# Altium PCB 1166V31.PcbDoc (part 1 of 7) (continued)
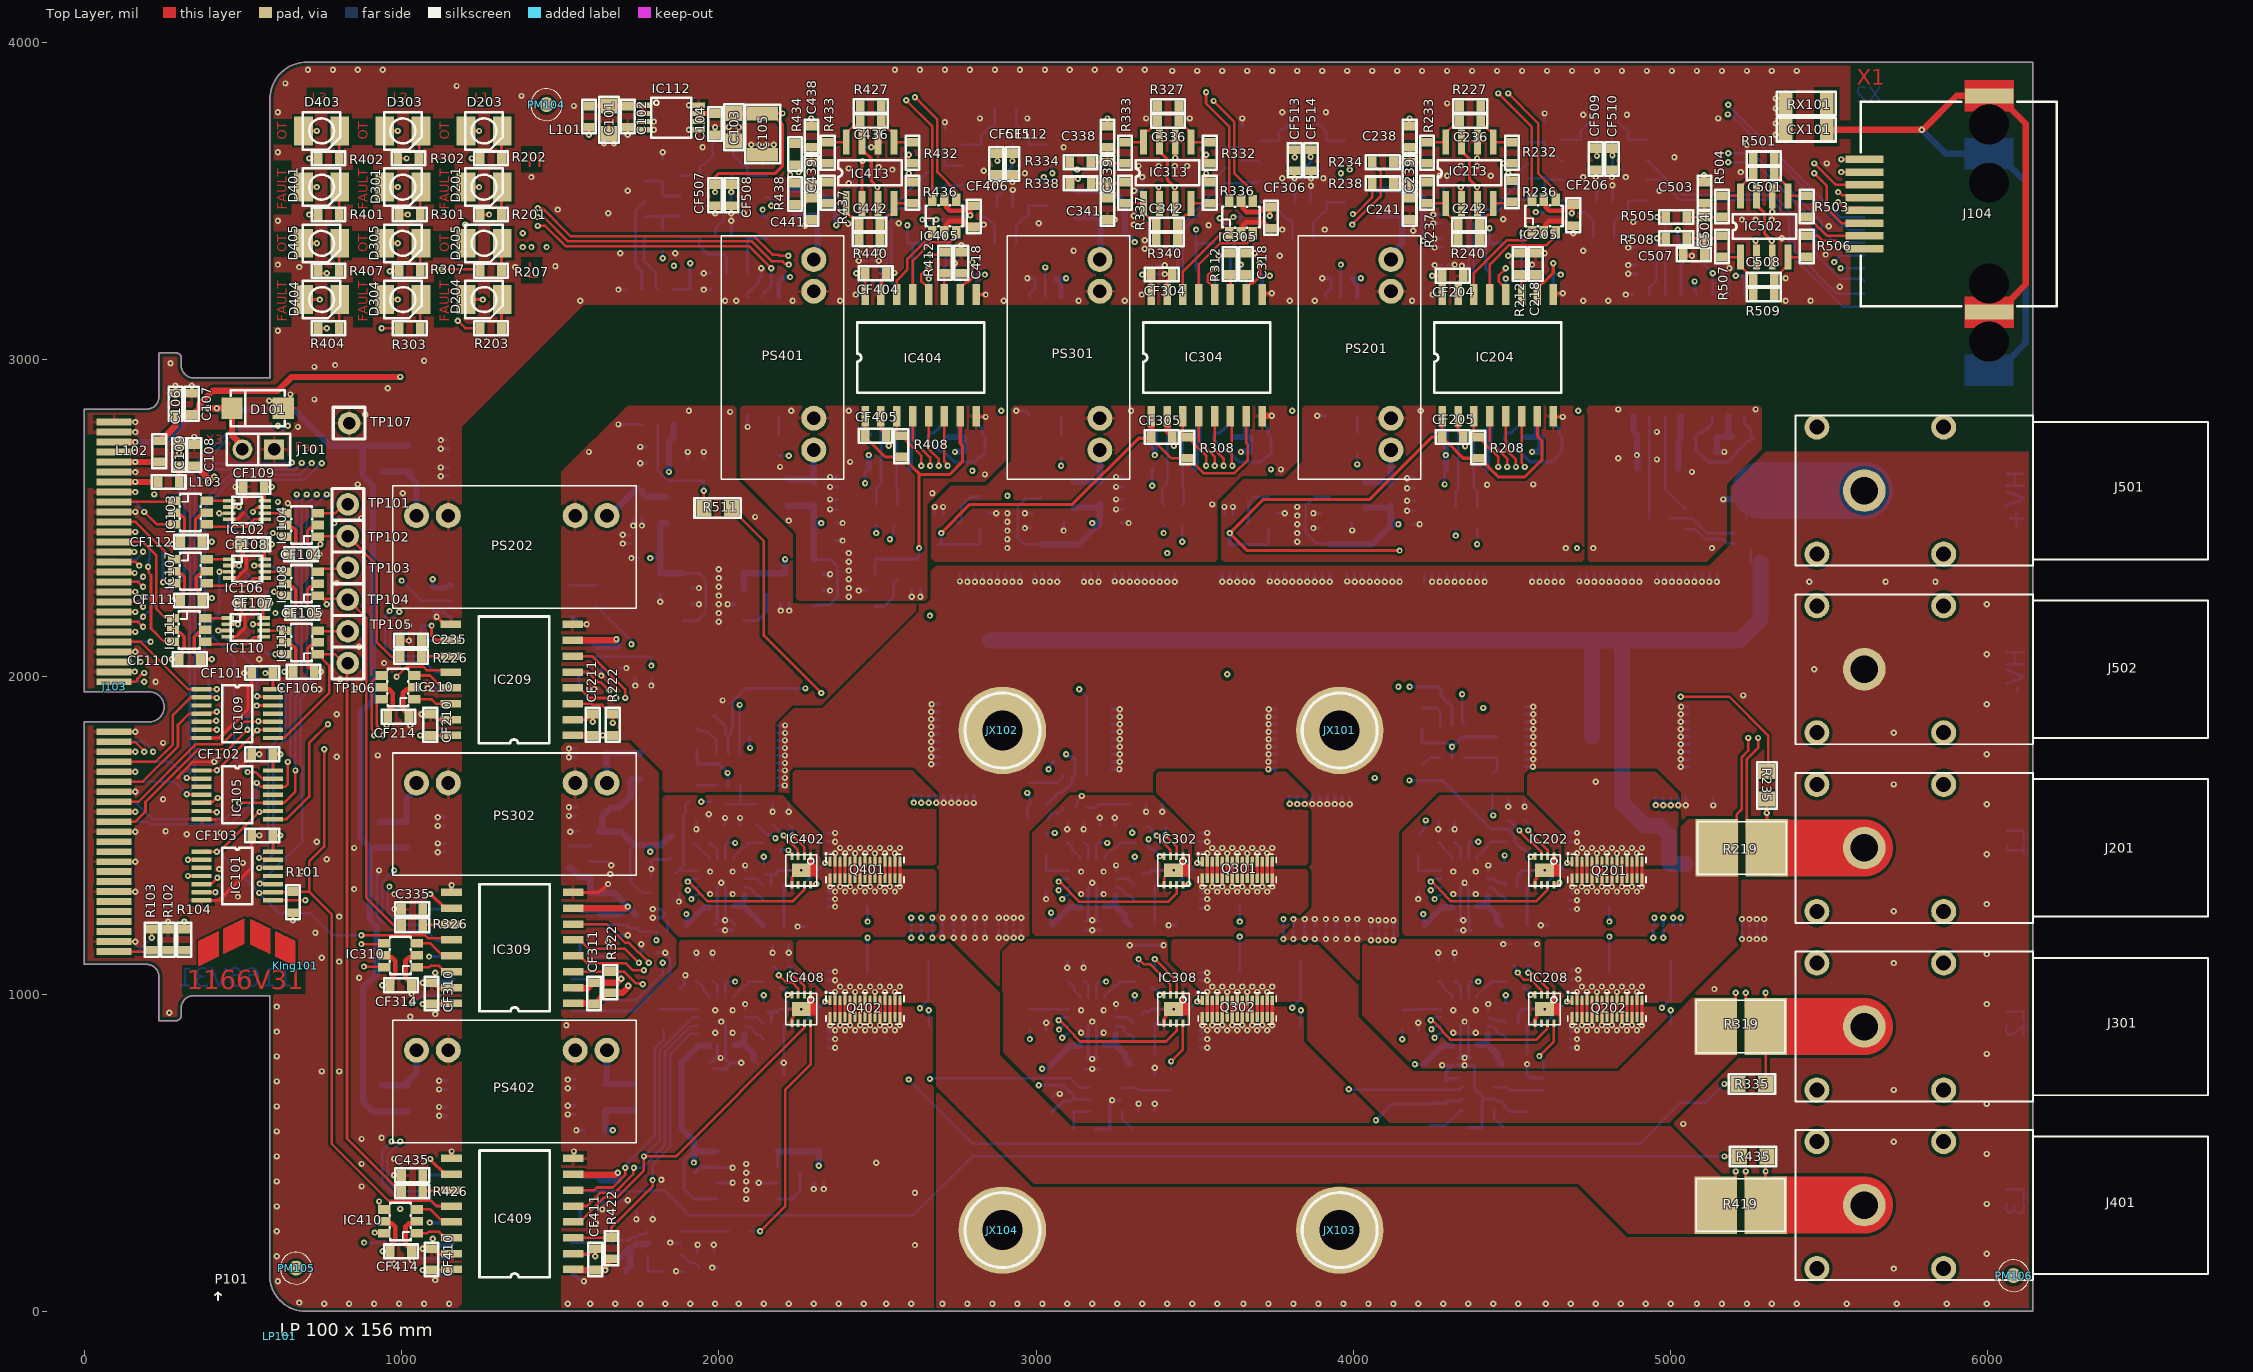
[diagram p0: Top Layer view]
## Components (designator, comment, footprint, x,y, rotation, side; value= is the part's Value field where it differs from the comment)
C101 "10µF/10V" 0805-Cap 1653.54,3712.6 r90 top
C102 "100nF" 0603-Cap 1712.6,3732.28 r90 top
C103 "2µ2F/10V" 0805-Cap 2047.24,3688.98 r90 top
C104 "100nF" 0603-Cap 1988.19,3708.66 r90 top
C105 "47µF/10V" 1210-Cap 2137.8,3645.67 r90 top
C106 "10µF/10V" 0603-Cap 287.4,2893.7 r270 top
C107 "100nF" 0603-Cap 338.58,2893.7 r270 top
C108 "10µF/10V" 0603-Cap 346.46,2732.28 r270 top
C109 "100nF" 0603-Cap 299.21,2732.28 r270 top
C201 "22nF/100V" 0805-Cap 4960.63,1295.28 r270 bottom
C202 "100nF/100V" 0805-Cap 5027.56,1295.28 r270 bottom
C203 "220nF/100V" 0805-Cap 5094.49,1295.28 r270 bottom
C204 "1µF/100V" 0805-Cap 5161.42,1295.28 r270 bottom
C205 "10µF/100V" 1210-Cap 5255.91,1334.65 r270 bottom
C206 "10µF/50V" 1206-Cap 4283.46,3535.43 r180 bottom
C207 "10µF/50V" 1206-Cap 4283.46,3452.76 r180 bottom
C208 "100nF" 0603-Cap 4118.11,2480.31 r0 bottom
C209 "100nF" 0603-Cap 3996.06,2417.72 r90 bottom
C210 "10nF" 0603-Cap 3665.35,2417.32 r90 bottom
C211 "100nF" 0603-Cap 4535.43,1456.69 r270 bottom
C212 "100nF" 0603-Cap 4562.99,3267.72 r0 bottom
C213 "1µF/25V" 1206-Cap 4417.32,3366.14 r180 bottom
C214 "1nF" 1206-Cap 4417.32,3283.46 r180 bottom
C215 "10µF/25V" 0805-Cap 4311.02,1216.54 r180 bottom
C216 "4µ7F/10V" 0805-Cap 4464.57,1216.54 r180 bottom
C217 "22pF" 0603-Cap 4204.72,1322.83 r90 bottom
C218 "68pF" 0603-Cap 4574.8,3334.65 r270 top
C219 "1µF/25V" 0603-Cap 4653.54,2708.66 r180 bottom
C220 "1nF" 0603-Cap 4653.54,2755.91 r180 bottom
C221 "100nF" 0603-Cap 4472.44,2755.91 r0 bottom
C222 "1nF" 1206-Cap 4417.32,2657.48 r180 bottom
C223 "100nF" 1206-Cap 4417.32,2740.16 r180 bottom
C224 "8n2F" 0603-Cap 4322.83,2582.68 r0 bottom
C225 "22pF" 0603-Cap 4366.14,1480.31 r0 bottom
C226 "10µF/50V" 1206-Cap 1155.12,2732.28 r180 bottom
C227 "10µF/50V" 1206-Cap 1155.12,2645.67 r180 bottom
C228 "100nF" 0603-Cap 1814.96,2374.02 r180 bottom
C229 "100nF" 0603-Cap 1814.96,2326.77 r270 bottom
C230 "10nF" 0603-Cap 2149.61,2326.77 r270 bottom
C231 "100nF" 0603-Cap 4535.43,1019.68 r270 bottom
C232 "10µF/25V" 0805-Cap 4314.96,779.53 r180 bottom
C233 "4µ7F/10V" 0805-Cap 4468.5,779.53 r180 bottom
C234 "22pF" 0603-Cap 4204.72,885.83 r90 bottom
C235 "68pF" 0603-Cap 996.06,2114.17 r0 top
C236 "22pF" 0603-Cap 4334.65,3751.97 r0 top
C237 "22pF" 0603-Cap 4366.14,1039.37 r0 bottom
C238 "2n2F" 0603-Cap 4177.17,3669.29 r90 top
C239 "2n2F" 0603-Cap 4177.17,3555.12 r90 top
C240 "22pF" 0603-Cap 1736.22,1996.06 r90 bottom
C241 "2n2F" 0603-Cap 4177.17,3440.94 r90 top
C242 "22pF" 0603-Cap 4330.71,3425.2 r0 top
C243 "10nF" 0603-Cap 4452.76,1811.02 r270 bottom
C244 "10nF" 0603-Cap 4496.06,629.92 r90 bottom
C301 "22nF/100V" 0805-Cap 3795.28,1291.34 r270 bottom
C302 "100nF/100V" 0805-Cap 3862.2,1291.34 r270 bottom
C303 "220nF/100V" 0805-Cap 3929.13,1291.34 r270 bottom
C304 "1µF/100V" 0805-Cap 3996.06,1291.34 r270 bottom
C305 "10µF/100V" 1210-Cap 4090.55,1330.71 r270 bottom
C306 "10µF/50V" 1206-Cap 3334.65,3531.5 r180 bottom
C307 "10µF/50V" 1206-Cap 3334.65,3448.82 r180 bottom
C308 "100nF" 0603-Cap 3200.79,2484.25 r0 bottom
C309 "100nF" 0603-Cap 3086.61,2417.32 r90 bottom
C310 "10nF" 0603-Cap 2751.97,2417.32 r90 bottom
C311 "100nF" 0603-Cap 3366.14,1456.69 r270 bottom
C312 "100nF" 0603-Cap 3645.67,3267.72 r0 bottom
C313 "1µF/25V" 1206-Cap 3503.94,3366.14 r180 bottom
C314 "1nF" 1206-Cap 3503.94,3283.46 r180 bottom
C315 "10µF/25V" 0805-Cap 3141.73,1216.54 r180 bottom
C316 "4µ7F/10V" 0805-Cap 3295.28,1216.54 r180 bottom
C317 "22pF" 0603-Cap 3031.5,1322.83 r90 bottom
C318 "68pF" 0603-Cap 3661.42,3334.65 r270 top
C319 "1µF/25V" 0603-Cap 3736.22,2708.66 r180 bottom
C320 "1nF" 0603-Cap 3736.22,2755.91 r180 bottom
C321 "100nF" 0603-Cap 3555.12,2755.91 r0 bottom
C322 "1nF" 1206-Cap 3496.06,2740.16 r180 bottom
C323 "100nF" 1206-Cap 3496.06,2657.48 r180 bottom
C324 "8n2F" 0603-Cap 3397.64,2590.55 r0 bottom
C325 "22pF" 0603-Cap 3196.85,1476.38 r0 bottom
C326 "10µF/50V" 1206-Cap 1145.67,1460.63 r180 bottom
C327 "10µF/50V" 1206-Cap 1145.67,1543.31 r180 bottom
C328 "100nF" 0603-Cap 1622.05,1511.81 r180 bottom
C329 "100nF" 0603-Cap 1850.39,1496.06 r270 bottom
C330 "10nF" 0603-Cap 1527.56,1397.64 r90 bottom
C331 "100nF" 0603-Cap 3366.14,1019.68 r270 bottom
C332 "10µF/25V" 0805-Cap 3141.73,779.53 r180 bottom
C333 "4µ7F/10V" 0805-Cap 3295.28,779.53 r180 bottom
C334 "22pF" 0603-Cap 3031.5,885.83 r90 bottom
C335 "68pF" 0603-Cap 1000,1267.72 r0 top
C336 "22pF" 0603-Cap 3382.28,3751.97 r0 top
C337 "22pF" 0603-Cap 3196.85,1039.37 r0 bottom
C338 "2n2F" 0603-Cap 3224.8,3669.29 r90 top
C339 "2n2F" 0603-Cap 3224.8,3555.12 r90 top
C340 "22pF" 0603-Cap 1751.97,1129.92 r90 bottom
C341 "2n2F" 0603-Cap 3224.8,3440.94 r90 top
C342 "22pF" 0603-Cap 3378.35,3425.2 r0 top
C343 "10nF" 0603-Cap 3248.03,1531.5 r90 bottom
C344 "10nF" 0603-Cap 3322.83,629.92 r90 bottom
C401 "22nF/100V" 0805-Cap 2622.05,1295.28 r270 bottom
C402 "100nF/100V" 0805-Cap 2688.98,1295.28 r270 bottom
C403 "220nF/100V" 0805-Cap 2755.91,1295.28 r270 bottom
C404 "1µF/100V" 0805-Cap 2822.83,1295.28 r270 bottom
C405 "10µF/100V" 1210-Cap 2917.32,1338.58 r270 bottom
C406 "10µF/50V" 1206-Cap 2448.82,3535.43 r180 bottom
C407 "10µF/50V" 1206-Cap 2448.82,3452.76 r180 bottom
C408 "100nF" 0603-Cap 2299.21,2484.25 r0 bottom
C409 "100nF" 0603-Cap 2299.21,2429.13 r0 bottom
C410 "10nF" 0603-Cap 2562.99,2370.08 r270 bottom
C411 "100nF" 0603-Cap 2192.91,1456.69 r270 bottom
C412 "100nF" 0603-Cap 2744.09,3267.72 r0 bottom
C413 "1µF/25V" 1206-Cap 2602.36,3366.14 r180 bottom
C414 "1nF" 1206-Cap 2602.36,3283.46 r180 bottom
C415 "10µF/25V" 0805-Cap 1984.25,1216.54 r180 bottom
C416 "4µ7F/10V" 0805-Cap 2137.8,1216.54 r180 bottom
C417 "22pF" 0603-Cap 1862.2,1314.96 r90 bottom
C418 "68pF" 0603-Cap 2763.78,3338.58 r270 top
C419 "1µF/25V" 0603-Cap 2834.65,2708.66 r180 bottom
C420 "1nF" 0603-Cap 2834.65,2755.91 r180 bottom
C421 "100nF" 0603-Cap 2653.54,2755.91 r0 bottom
C422 "1nF" 1206-Cap 2598.42,2740.16 r180 bottom
C423 "100nF" 1206-Cap 2598.42,2657.48 r180 bottom
C424 "8n2F" 0603-Cap 2496.06,2590.55 r0 bottom
C425 "22pF" 0603-Cap 2027.56,1476.38 r0 bottom
C426 "10µF/50V" 1206-Cap 1149.61,629.92 r180 bottom
C427 "10µF/50V" 1206-Cap 1149.61,712.6 r180 bottom
C428 "100nF" 0603-Cap 1641.73,570.87 r180 bottom
C429 "100nF" 0603-Cap 1921.26,503.94 r270 bottom
C430 "10nF" 0603-Cap 2255.91,503.94 r270 bottom
C431 "100nF" 0603-Cap 2192.91,1019.68 r270 bottom
C432 "10µF/25V" 0805-Cap 1968.5,779.53 r180 bottom
C433 "4µ7F/10V" 0805-Cap 2122.05,779.53 r180 bottom
C434 "22pF" 0603-Cap 1877.95,1019.68 r270 bottom
C435 "68pF" 0603-Cap 1000,429.13 r0 top
C436 "22pF" 0603-Cap 2445.28,3751.97 r0 top
C437 "22pF" 0603-Cap 2027.56,1039.37 r0 bottom
C438 "2n2F" 0603-Cap 2291.73,3669.29 r90 top
C439 "2n2F" 0603-Cap 2291.73,3555.12 r90 top
C440 "22pF" 0603-Cap 1740.16,314.96 r90 bottom
C441 "2n2F" 0603-Cap 2291.73,3440.94 r90 top
C442 "22pF" 0603-Cap 2441.34,3425.2 r0 top
C443 "10nF" 0603-Cap 2019.69,1531.5 r90 bottom
C444 "10nF" 0603-Cap 1933.07,185.04 r90 bottom
C501 "22pF" 0603-Cap 5259.84,3586.61 r0 top
C502 "100nF" 0603-Cap 5165.35,3267.72 r0 bottom
C503 "2n2F" 0603-Cap 5106.3,3492.13 r90 top
C504 "2n2F" 0603-Cap 5106.3,3381.89 r90 top
C505 "1µF/25V" 1206-Cap 5027.56,3366.14 r180 bottom
C506 "1nF" 1206-Cap 5027.56,3283.46 r180 bottom
C507 "2n2F" 0603-Cap 5039.37,3330.71 r0 top
C508 "22pF" 0603-Cap 5259.84,3251.97 r0 top
C509 "22pF" 0603-Cap 2023.62,3318.9 r0 bottom
C510 "1µF/25V" 0603-Cap 5078.74,2755.91 r0 bottom
C511 "1nF" 0603-Cap 5259.84,2755.91 r180 bottom
C512 "100nF" 0603-Cap 5208.66,2708.66 r180 bottom
C513 "1nF" 1206-Cap 5023.62,2740.16 r180 bottom
C514 "100nF" 1206-Cap 5023.62,2657.48 r180 bottom
C515 "8n2F" 0603-Cap 4929.13,2586.61 r0 bottom
C516 "2n2F" 0603-Cap 1822.83,3409.45 r270 bottom
C517 "2n2F" 0603-Cap 1822.83,3519.69 r270 bottom
C518 "22pF" 0603-Cap 1952.76,2685.04 r270 bottom
C519 "2n2F" 0603-Cap 1822.83,3629.92 r270 bottom
C520 "22pF" 0603-Cap 1980.32,3645.67 r0 bottom
C521 "22µF/100V" 2220-Cap 2484.25,1818.9 r0 bottom
C522 "22µF/100V" 2220-Cap 2708.66,1417.32 r90 bottom
C523 "22µF/100V" 2220-Cap 3448.82,1803.15 r180 bottom
C524 "22µF/100V" 2220-Cap 3547.24,1803.15 r0 bottom
C525 "22µF/100V" 2220-Cap 3893.7,1413.39 r90 bottom
C526 "22µF/100V" 2220-Cap 4751.97,1811.02 r180 bottom
C527 "22µF/100V" 2220-Cap 5047.24,1409.45 r90 bottom
C528 "22pF" 0603-Cap 4755.91,3433.07 r0 bottom
C529 "2n2F" 0603-Cap 4602.36,3531.5 r270 bottom
C530 "2n2F" 0603-Cap 4602.36,3641.73 r270 bottom
C531 "22pF" 0603-Cap 2870.08,3417.32 r0 bottom
C532 "2n2F" 0603-Cap 4602.36,3751.97 r270 bottom
C533 "22pF" 0603-Cap 4759.84,3759.84 r0 bottom
C534 "2n2F" 0603-Cap 2712.6,3503.94 r270 bottom
C535 "2n2F" 0603-Cap 2712.6,3614.17 r270 bottom
C536 "2n2F" 0603-Cap 2712.6,3724.41 r270 bottom
C537 "22pF" 0603-Cap 2870.08,3744.09 r0 bottom
C538 "22pF" 0603-Cap 3807.09,3429.13 r0 bottom
C539 "2n2F" 0603-Cap 3649.61,3515.75 r270 bottom
C540 "2n2F" 0603-Cap 3649.61,3625.98 r270 bottom
C541 "2n2F" 0603-Cap 3649.61,3736.22 r270 bottom
C542 "22pF" 0603-Cap 3811.02,3755.91 r0 bottom
C543 "22µF/100V" 2220-Cap 3098.43,2114.17 r90 bottom
C544 "22µF/100V" 2220-Cap 3342.52,2114.17 r90 bottom
C545 "22µF/100V" 2220-Cap 3586.61,2114.17 r90 bottom
C546 "22µF/100V" 2220-Cap 3830.71,2114.17 r90 bottom
C547 "22µF/100V" 2220-Cap 4074.8,2114.17 r90 bottom
C548 "22µF/100V" 2220-Cap 4318.9,2114.17 r90 bottom
C549 "22µF/100V" 2220-Cap 4562.99,2114.17 r90 bottom
C550 "22µF/100V" 2220-Cap 4807.09,2114.17 r90 bottom
C551 "22µF/100V" 2220-Cap 5051.18,2114.17 r90 bottom
C552 "22µF/100V" 2220-Cap 2393.7,1751.97 r180 bottom
C553 "22µF/100V" 2220-Cap 2854.33,2114.17 r90 bottom
C554 "22µF/100V" 2220-Cap 4846.46,1811.02 r0 bottom
CF101 "100nF" 0603-Cap 527.56,2011.81 r0 top
CF102 "100nF" 0603-Cap 527.56,1755.91 r0 top
CF103 "100nF" 0603-Cap 527.56,1500 r0 top
CF104 "100nF" 0603-Cap 649.61,2385.83 r0 top
CF105 "100nF" 0603-Cap 653.54,2200.79 r0 top
CF106 "100nF" 0603-Cap 657.48,2015.75 r0 top
CF107 "100nF" 0603-Cap 562.99,2232.28 r180 top
CF108 "100nF" 0603-Cap 566.93,2417.32 r180 top
CF109 "100nF" 0603-Cap 566.93,2598.43 r180 top
CF110 "100nF" 0603-Cap 366.14,2055.12 r180 top
CF111 "100nF" 0603-Cap 370.08,2240.16 r180 top
CF112 "100nF" 0603-Cap 370.08,2425.2 r180 top
CF201 "22µF/16V" 0805-Cap 4118.11,2539.37 r0 bottom
CF202 "22µF/16V" 0805-Cap 3606.3,2417.32 r90 bottom
CF203 "22µF/16V" 0805-Cap 4118.11,2610.24 r0 bottom
CF204 "1µF/10V" 0603-Cap 4279.53,3263.78 r0 top
CF205 "100nF" 0603-Cap 4346.46,2755.91 r180 top
CF206 "100nF" 0603-Cap 4692.91,3488.19 r270 top
CF207 "22µF/16V" 0805-Cap 1814.96,2433.07 r180 bottom
CF208 "22µF/16V" 0805-Cap 2208.66,2326.77 r270 bottom
CF209 "22µF/16V" 0805-Cap 1744.09,2594.49 r270 bottom
CF210 "1µF/10V" 0603-Cap 1090.55,1814.96 r90 top
CF211 "100nF" 0603-Cap 1602.36,1881.89 r270 top
CF212 "100nF" 0603-Cap 4338.58,3519.69 r90 bottom
CF213 "100nF" 0603-Cap 4389.76,3519.69 r90 bottom
CF214 "100nF" 0603-Cap 956.69,1874.02 r0 top
CF215 "1µF/10V" 0603-Cap 1066.93,480.31 r180 bottom
CF216 "100nF" 0603-Cap 1066.93,429.13 r180 bottom
CF217 "100nF" 0603-Cap 1629.92,2094.49 r270 bottom
CF218 "1µF/10V" 0603-Cap 1681.1,2094.49 r270 bottom
CF219 "100nF" 0603-Cap 3929.13,3255.91 r0 bottom
CF220 "100nF" 0603-Cap 4311.02,1901.57 r0 bottom
CF221 "100nF" 0603-Cap 1098.43,2212.6 r90 bottom
CF222 "100nF" 0603-Cap 4291.34,657.48 r90 bottom
CF301 "22µF/16V" 0805-Cap 3200.79,2543.31 r0 bottom
CF302 "22µF/16V" 0805-Cap 2692.91,2417.32 r90 bottom
CF303 "22µF/16V" 0805-Cap 3200.79,2614.17 r0 bottom
CF304 "1µF/10V" 0603-Cap 3362.2,3267.72 r0 top
CF305 "100nF" 0603-Cap 3429.13,2755.91 r180 top
CF306 "100nF" 0603-Cap 3740.16,3480.31 r270 top
CF307 "22µF/16V" 0805-Cap 1645.67,1574.8 r180 bottom
CF308 "22µF/16V" 0805-Cap 1744.09,1251.97 r0 bottom
CF309 "22µF/16V" 0805-Cap 1645.67,1759.84 r180 bottom
CF310 "1µF/25V" 0603-Cap 1094.49,968.5 r90 top
CF311 "100nF" 0603-Cap 1606.3,1035.43 r270 top
CF312 "100nF" 0603-Cap 3385.83,3519.69 r90 bottom
CF313 "100nF" 0603-Cap 3437.01,3519.69 r90 bottom
CF314 "100nF" 0603-Cap 964.57,1027.56 r0 top
CF315 "1µF/10V" 0603-Cap 1066.93,1314.96 r180 bottom
CF316 "100nF" 0603-Cap 1066.93,1263.78 r180 bottom
CF317 "100nF" 0603-Cap 1633.86,1251.97 r270 bottom
CF318 "1µF/10V" 0603-Cap 1685.04,1251.97 r270 bottom
CF319 "100nF" 0603-Cap 2996.06,3255.91 r0 bottom
CF320 "100nF" 0603-Cap 3122.05,1736.22 r180 bottom
CF321 "100nF" 0603-Cap 1106.3,964.57 r90 bottom
CF322 "100nF" 0603-Cap 3118.11,677.17 r180 bottom
CF401 "22µF/16V" 0805-Cap 2299.21,2543.31 r0 bottom
CF402 "22µF/16V" 0805-Cap 2622.05,2370.08 r270 bottom
CF403 "22µF/16V" 0805-Cap 2299.21,2614.17 r0 bottom
CF404 "1µF/10V" 0603-Cap 2460.63,3271.65 r0 top
CF405 "100nF" 0603-Cap 2527.56,2759.84 r180 top
CF406 "100nF" 0603-Cap 2803.15,3484.25 r270 top
CF407 "22µF/16V" 0805-Cap 1641.73,633.86 r180 bottom
CF408 "22µF/16V" 0805-Cap 2314.96,503.94 r270 bottom
CF409 "22µF/16V" 0805-Cap 1641.73,716.54 r180 bottom
CF410 "1µF/10V" 0603-Cap 1094.49,129.92 r90 top
CF411 "100nF" 0603-Cap 1610.24,196.85 r270 top
CF412 "100nF" 0603-Cap 2452.76,3602.36 r90 bottom
CF413 "100nF" 0603-Cap 2503.94,3515.75 r90 bottom
CF414 "100nF" 0603-Cap 964.57,188.98 r0 top
CF415 "1µF/10V" 0603-Cap 1062.99,2161.42 r180 bottom
CF416 "100nF" 0603-Cap 1062.99,2114.17 r180 bottom
CF417 "100nF" 0603-Cap 1633.86,413.39 r270 bottom
CF418 "1µF/10V" 0603-Cap 1685.04,413.39 r270 bottom
CF419 "100nF" 0603-Cap 2133.86,3259.84 r0 bottom
CF420 "100nF" 0603-Cap 2029.43,1811.02 r0 bottom
CF421 "100nF" 0603-Cap 1106.3,129.92 r90 bottom
CF422 "100nF" 0603-Cap 1720.47,196.85 r90 bottom
CF501 "100nF" 0603-Cap 5267.72,3350.39 r90 bottom
CF502 "100nF" 0603-Cap 5318.9,3350.39 r90 bottom
CF503 "1µF/10V" 0603-Cap 1909.45,3271.65 r0 bottom
CF504 "100nF" 0603-Cap 1909.45,3220.47 r0 bottom
CF505 "100nF" 0603-Cap 1842.52,2724.41 r180 bottom
CF506 "1µF/10V" 0603-Cap 1842.52,2673.23 r180 bottom
CF507 "100nF" 0603-Cap 1988.19,3551.18 r270 top
CF508 "100nF" 0603-Cap 2039.37,3551.18 r270 top
CF509 "100nF" 0603-Cap 4763.78,3665.35 r270 top
CF510 "100nF" 0603-Cap 4814.96,3665.35 r270 top
CF511 "100nF" 0603-Cap 2874.02,3649.61 r270 top
CF512 "100nF" 0603-Cap 2925.2,3649.61 r270 top
CF513 "100nF" 0603-Cap 3814.96,3661.42 r270 top
CF514 "100nF" 0603-Cap 3866.14,3661.42 r270 top
CX101 "4n7F/500V" 1206-Cap 5492.13,3724.41 r180 top
D101 "B160" SMA 622.05,2846.46 r180 top
D201 "VLMS30K1L2-GS08" PLCC-2_rot 1259.84,3543.31 r180 top
D202 "GB01SLT12-214" "DO-214 (SMB)" 4649.61,1285.83 r90 bottom
D203 "VLMY3001" PLCC-2_gelb 1259.84,3720.47 r180 top
D204 "VLMS30K1L2-GS08" PLCC-2_rot 1259.84,3188.98 r180 top
D205 "VLMY3001" PLCC-2_gelb 1259.84,3366.14 r180 top
D206 "GB01SLT12-214" "DO-214 (SMB)" 4649.61,848.82 r90 bottom
D301 "VLMS30K1L2-GS08" PLCC-2_rot 1003.94,3543.31 r180 top
D302 "GB01SLT12-214" "DO-214 (SMB)" 3484.25,1285.83 r90 bottom
D303 "VLMY3001" PLCC-2_gelb 1003.94,3720.47 r180 top
D304 "VLMS30K1L2-GS08" PLCC-2_rot 1003.94,3188.98 r180 top
D305 "VLMY3001" PLCC-2_gelb 1003.94,3366.14 r180 top
D306 "GB01SLT12-214" "DO-214 (SMB)" 3484.25,848.82 r90 bottom
D401 "VLMS30K1L2-GS08" PLCC-2_rot 748.03,3543.31 r180 top
D402 "GB01SLT12-214" "DO-214 (SMB)" 2311.02,1285.83 r90 bottom
D403 "VLMY3001" PLCC-2_gelb 748.03,3720.47 r180 top
D404 "VLMS30K1L2-GS08" PLCC-2_rot 748.03,3188.98 r180 top
D405 "VLMY3001" PLCC-2_gelb 748.03,3366.14 r180 top
D406 "GB01SLT12-214" "DO-214 (SMB)" 2311.02,848.82 r90 bottom
IC101 "SN74HCS21PWR" TSSOP-14 370.08,1448.82 r0 top
IC102 "SN74AUP2G08DCUR" VSSOP-8 456.69,2555.12 r270 top
IC103 "SN74LVC2G17DBV" SOT-23-6 283.46,2555.12 r270 top
IC104 "SN74LVC2G14DBV" SOT-23-6 735.86,2440.75 r90 top
IC105 "SN74HCS21PWR" TSSOP-14 370.08,1704.72 r0 top
IC106 "SN74AUP2G08DCUR" VSSOP-8 456.69,2370.08 r270 top
IC107 "SN74LVC2G17DBV" SOT-23-6 283.46,2370.08 r270 top
IC108 "SN74LVC2G14DBV" SOT-23-6 735.86,2255.71 r90 top
IC109 "SN74HCS21PWR" TSSOP-14 370.08,1960.63 r0 top
IC110 "SN74AUP2G08DCUR" VSSOP-8 452.76,2185.04 r270 top
IC111 "SN74LVC2G17DBV" SOT-23-6 279.53,2185.04 r270 top
IC112 "LTC6655BHMS8-2.5" "MSOP-8 (RM-8)" 1763.78,3801.18 r270 top
IC113 "SN74LVC2G14DBV" SOT-23-6 735.86,2070.67 r90 top
IC201 "LT1763IS8-5#PBF" SOIC-8-N 3732.28,2417.32 r0 bottom
IC202 "LM57CISD-10" "WSON-8 (2.5x2.5mm)" 4602.36,1389.76 r180 top
IC203 "AMC3301DWE" "SOIC-16-W - 8.1mm" 4629.92,2820.87 r90 bottom
IC204 "ISO7742DW" "SOIC-16-W - 8.1mm" 4279.92,2820.87 r90 top
IC205 "SN74LVC2G14DBV" SOT-23-6 4562.8,3401.57 r0 top
IC206 "RAA2261104GNP" "QFN-16 (4x4mm)" 4350.39,1350.39 r0 bottom
IC207 "LT1763IS8-5#PBF" SOIC-8-N 2078.74,2326.77 r180 bottom
IC208 "LM57CISD-10" "WSON-8 (2.5x2.5mm)" 4602.36,952.76 r180 top
IC209 "ISO7742DW" "SOIC-16-W - 8.1mm" 1539.37,1814.96 r180 top
IC210 "SN74LVC2G14DBV" SOT-23-6 1039.37,1928.94 r90 top
IC211 "RAA2261104GNP" "QFN-16 (4x4mm)" 4350.39,913.39 r0 bottom
IC212 "AMC1311BQDWVRQ1" SOIC-8-W 1531.5,2114.17 r180 bottom
IC213 "ADA4940-1ARZ" SOIC-8-N 4290.94,3492.13 r90 top
IC214 "TLP2770" SO-6L 4011.81,2822.83 r90 bottom
IC215 "LTC6992HS6-1" SOT-23-6 4348.52,1744.46 r180 bottom
IC216 "TLP2770" SO-6L 1531.5,2288.98 r180 bottom
IC217 "LTC6992HS6-1" SOT-23-6 4444.52,706.79 r270 bottom
IC301 "LT1763IS8-5#PBF" SOIC-8-N 2822.83,2417.32 r0 bottom
IC302 "LM57CISD-10" "WSON-8 (2.5x2.5mm)" 3433.07,1389.76 r180 top
IC303 "AMC3301DWE" "SOIC-16-W - 8.1mm" 3712.6,2820.87 r90 bottom
IC304 "ISO7742DW" "SOIC-16-W - 8.1mm" 3362.6,2820.87 r90 top
IC305 "SN74LVC2G14DBV" SOT-23-6 3608.17,3397.64 r0 top
IC306 "RAA2261104GNP" "QFN-16 (4x4mm)" 3177.17,1350.39 r0 bottom
IC307 "LT1763IS8-5#PBF" SOIC-8-N 1594.49,1318.9 r0 bottom
IC308 "LM57CISD-10" "WSON-8 (2.5x2.5mm)" 3433.07,952.76 r180 top
IC309 "ISO7742DW" "SOIC-16-W - 8.1mm" 1541.34,970.47 r180 top
IC310 "SN74LVC2G14DBV" SOT-23-6 1047.24,1084.55 r90 top
IC311 "RAA2261104GNP" "QFN-16 (4x4mm)" 3177.17,913.39 r0 bottom
IC312 "AMC1311BQDWVRQ1" SOIC-8-W 1533.43,1267.72 r180 bottom
IC313 "ADA4940-1ARZ" SOIC-8-N 3338.58,3492.13 r90 top
IC314 "TLP2770" SO-6L 3078.74,2822.83 r90 bottom
IC315 "LTC6992HS6-1" SOT-23-6 3159.55,1586.98 r180 bottom
IC316 "TLP2770" SO-6L 1535.43,1046.06 r180 bottom
IC317 "LTC6992HS6-1" SOT-23-6 3271.65,704.72 r270 bottom
IC401 "LT1763IS8-5#PBF" SOIC-8-N 2492.13,2370.47 r180 bottom
IC402 "LM57CISD-10" "WSON-8 (2.5x2.5mm)" 2259.84,1389.76 r180 top
IC403 "AMC3301DWE" "SOIC-16-W - 8.1mm" 2811.02,2820.87 r90 bottom
IC404 "ISO7742DW" "SOIC-16-W - 8.1mm" 2461.02,2820.87 r90 top
IC405 "SN74LVC2G14DBV" SOT-23-6 2673.03,3401.57 r0 top
IC406 "RAA2261104GNP" "QFN-16 (4x4mm)" 2007.87,1350.39 r0 bottom
IC407 "LT1763IS8-5#PBF" SOIC-8-N 2185.04,503.94 r180 bottom
IC408 "LM57CISD-10" "WSON-8 (2.5x2.5mm)" 2259.84,952.76 r180 top
IC409 "ISO7742DW" "SOIC-16-W - 8.1mm" 1541.34,131.89 r180 top
IC410 "SN74LVC2G14DBV" SOT-23-6 1047.24,245.96 r90 top
IC411 "RAA2261104GNP" "QFN-16 (4x4mm)" 2007.87,913.39 r0 bottom
IC412 "AMC1311BQDWVRQ1" SOIC-8-W 1533.43,429.13 r180 bottom
IC413 "ADA4940-1ARZ" SOIC-8-N 2401.57,3492.13 r90 top
IC414 "TLP2770" SO-6L 2188.98,2822.83 r90 bottom
IC415 "LTC6992HS6-1" SOT-23-6 2066.93,1657.48 r180 bottom
IC416 "TLP2770" SO-6L 1535.43,215.35 r180 bottom
IC417 "LTC6992HS6-1" SOT-23-6 1877.59,252.17 r270 bottom
IC501 "AMC3301DWE" "SOIC-16-W - 8.1mm" 5232.28,2820.87 r90 bottom
IC502 "ADA4940-1ARZ" SOIC-8-N 5220.08,3322.83 r90 top
IC503 "AMC1311BQDWVRQ1" SOIC-8-W 1857.09,2822.83 r90 bottom
IC504 "ADA4940-1ARZ" SOIC-8-N 1939.37,3578.74 r270 bottom
IC505 "ADA4940-1ARZ" SOIC-8-N 4716.54,3692.91 r270 bottom
IC506 "ADA4940-1ARZ" SOIC-8-N 2826.38,3677.17 r270 bottom
IC507 "ADA4940-1ARZ" SOIC-8-N 3764.96,3688.98 r270 bottom
J101 "SIP-2" SIP-2 598.43,2716.54 r180 top
J102 "RJ-45" WE-634008149821 5905.51,3307.09 r270 bottom
J103 "KI-POWER-Card" KI-POWER-CARD -0.53,1858.09 r90 top
J104 "RJ-45" WE-634008149821 5906.5,3490.16 r90 top
J201 "FCR7350B Schwarz" "SLB4-I/90 - 4mm - Schwarz - CLIFF" 5610.24,1460.63 r270 top locked
J301 "FCR7350B Schwarz" "SLB4-I/90 - 4mm - Schwarz - CLIFF" 5610.24,897.64 r270 top locked
J401 "FCR7350B Schwarz" "SLB4-I/90 - 4mm - Schwarz - CLIFF" 5610.24,334.65 r270 top locked
J501 "FCR7350R Rot" "SLB4-I/90 - 4mm - rot - CLIFF" 5610.24,2586.61 r270 top locked
J502 "FCR7350L Blau" "SLB4-I/90 - 4mm - Blau - CLIFF" 5610.24,2023.62 r270 top locked
JX101 "Drill PAD" PAD-6.0/3.2 3956.69,1830.71 r0 top
JX102 "Drill PAD" PAD-6.0/3.2 2893.7,1830.71 r0 top
JX103 "Drill PAD" PAD-6.0/3.2 3956.69,255.91 r0 top
JX104 "Drill PAD" PAD-6.0/3.2 2893.7,255.91 r0 top
KIng101 "KIng-Logo" "King_Logo 900x300mil short" 664.88,1088.92 r90 top
L101 "600R@100MHz 1A" 0603-Ind 1590.55,3732.28 r90 top
L102 "600R@100MHz 1A" 0603-Ind 236.22,2677.17 r90 top
L103 "600R@100MHz 1A" 0603-Ind 232.28,2614.17 r0 top
L201 "100µH/120mA" "1007-IND (2518)" 4074.8,3535.43 r270 bottom
L202 "100µH/120mA" "1007-IND (2518)" 4035.43,2614.17 r270 bottom
L203 "100µH/120mA" "1007-IND (2518)" 942.52,2728.35 r270 bottom
L204 "100µH/120mA" "1007-IND (2518)" 1834.65,2566.93 r270 bottom
L301 "100µH/120mA" "1007-IND (2518)" 3125.98,3531.5 r270 bottom
L302 "100µH/120mA" "1007-IND (2518)" 3118.11,2614.17 r270 bottom
L303 "100µH/120mA" "1007-IND (2518)" 929.13,1460.63 r90 bottom
L304 "100µH/120mA" "1007-IND (2518)" 1751.97,1759.84 r270 bottom
L401 "100µH/120mA" "1007-IND (2518)" 2236.22,3535.43 r270 bottom
L402 "100µH/120mA" "1007-IND (2518)" 2216.54,2622.05 r270 bottom
L403 "100µH/120mA" "1007-IND (2518)" 937.01,629.92 r90 bottom
L404 "100µH/120mA" "1007-IND (2518)" 1732.28,716.54 r270 bottom
LP101 "100 x 156 mm, 8 Lagen (8x 70 µm)" LP 615.4,-78.74 r0 top
P101 "SK 545 50 SA" Part 421.26,35.43 r90 top
PM101 "Passer Mark" "PASSER-MARK Rund 1,2mm" 6080.61,112.31 r180 bottom
PM102 "Passer Mark" "PASSER-MARK Rund 1,2mm" 667.23,135.93 r180 bottom
PM103 "Passer Mark" "PASSER-MARK Rund 1,2mm" 1456.69,3803.15 r180 bottom
PM104 "Passer Mark" "PASSER-MARK Rund 1,2mm" 1456.69,3803.15 r0 top
PM105 "Passer Mark" "PASSER-MARK Rund 1,2mm" 667.23,135.93 r0 top
PM106 "Passer Mark" "PASSER-MARK Rund 1,2mm" 6080.61,112.31 r0 top
PS201 "R24P12S/P/X2/R6.4" "SIP-7 Single - X2" 4118.11,3314.96 r270 top
PS202 "R24P12S/P/X2/R6.4" "SIP-7 Single - X2" 1047.24,2507.87 r0 top
PS301 "R24P12S/P/X2/R6.4" "SIP-7 Single - X2" 3200.79,3314.96 r270 top
PS302 "R24P12S/P/X2/R6.4" "SIP-7 Single - X2" 1047.24,1665.35 r0 top
PS401 "R24P12S/P/X2/R6.4" "SIP-7 Single - X2" 2299.21,3314.96 r270 top
PS402 "R24P12S/P/X2/R6.4" "SIP-7 Single - X2" 1047.24,822.83 r0 top
Q201 "EPC2206" D0232 4799.21,1391.14 r0 top
Q202 "EPC2206" D0232 4799.21,954.13 r0 top
Q301 "EPC2206" D0232 3633.86,1391.14 r0 top
Q302 "EPC2206" D0232 3633.86,954.13 r0 top
Q401 "EPC2206" D0232 2460.63,1391.14 r0 top
Q402 "EPC2206" D0232 2460.63,954.13 r0 top
R101 "10K" 0603-Res 657.48,1322.83 r270 top
R102 "0R" 0603-Res 263.78,1204.72 r270 top
R103 "0R" 0603-Res 212.6,1137.8 r90 top
R104 "0R" 0603-Res 314.96,1204.72 r270 top
R201 "470R" 0603-Res 1314.96,3456.69 r180 top
R202 "470R" 0603-Res 1314.96,3633.86 r180 top
R203 "470R" 0603-Res 1314.96,3098.43 r180 top
R204 "10K" 0603-Res 4539.37,3366.14 r180 bottom
R205 "280K" 0603-Res 4488.19,1547.24 r90 bottom
R206 "105K" 0603-Res 4539.37,1547.24 r90 bottom
R207 "470R" 0603-Res 1314.96,3279.53 r180 top
R208 "10K" 0603-Res 4393.7,2688.98 r90 top
R209 "3K3" 0603-Res 4614.17,1216.54 r180 bottom
R210 "0R" 0603-Res 4480.31,1342.52 r0 bottom
R211 "220R" 0603-Res 4204.72,1437.01 r90 bottom
R212 "49R9" 0603-Res 4523.62,3267.72 r90 top
R213 "5R6" 0603-Res 4476.38,1480.31 r270 bottom
R214 "0R" 0603-Res 4267.72,1476.38 r90 bottom
R215 "0R" 0603-Res 4318.9,1476.38 r90 bottom
R216 "0.001R" 2512 4807.09,1070.87 r90 bottom
R217 "10R" 0603-Res 4389.76,2468.5 r90 bottom
R218 "10R" 0603-Res 4322.83,2468.5 r90 bottom
R219 "0.010R" GMR320 5303.15,1460.63 r180 top
R220 "280K" 0603-Res 4500,1090.55 r90 bottom
R221 "105K" 0603-Res 4551.18,1090.55 r90 bottom
R222 "10K" 0603-Res 1665.35,1814.96 r90 top
R223 "3K3" 0603-Res 4547.24,744.09 r90 bottom
R224 "0R" 0603-Res 4480.32,905.51 r0 bottom
R225 "220R" 0603-Res 4153.54,952.76 r270 bottom
R226 "49R9" 0603-Res 1062.99,2062.99 r180 top
R227 "2K" 0603-Res 4334.65,3799.21 r0 top
R228 "5R6" 0603-Res 4480.32,1039.37 r270 bottom
R229 "0R" 0603-Res 4267.72,1039.37 r90 bottom
R230 "0R" 0603-Res 4318.9,1039.37 r90 bottom
R231 "0.001R" 2512 5000,1106.3 r270 bottom
R232 "49R9" 0603-Res 4500,3685.04 r270 top
R233 "1K" 0603-Res 4232.28,3618.11 r90 top
R234 "49R9" 0603-Res 4059.06,3622.05 r0 top
R235 "499K/0,1%/10ppm/100V" 0805-Res 5303.15,1700.79 r270 top
R236 "49R9" 0603-Res 4500,3496.06 r90 top
R237 "1K" 0603-Res 4232.28,3559.06 r270 top
R238 "49R9" 0603-Res 4059.06,3555.12 r0 top
R239 "10K/0,1%/10ppm" 0603-Res 1787.4,2062.99 r270 bottom
R240 "2K" 0603-Res 4330.71,3377.95 r0 top
R241 "0R" 0603-Res 4480.32,1295.28 r0 bottom
R242 "0R" 0603-Res 4480.32,858.27 r0 bottom
R243 "10K" 0603-Res 4401.57,1811.02 r270 bottom
R244 "1K8" 0603-Res 4011.81,2700.79 r90 bottom
R245 "20K" 0603-Res 4437.01,1696.85 r270 bottom
R246 "287K" 0603-Res 4216.54,1791.34 r270 bottom
R247 "976K" 0603-Res 4263.78,1968.5 r270 bottom
R248 "182K" 0603-Res 4216.54,1834.65 r90 bottom
R249 "10K" 0603-Res 4547.24,629.92 r90 bottom
R250 "1K8" 0603-Res 1614.17,2220.47 r90 bottom
R251 "20K" 0603-Res 4598.43,696.85 r90 bottom
R252 "287K" 0603-Res 4405.51,578.74 r0 bottom
R253 "976K" 0603-Res 4240.16,653.54 r270 bottom
R254 "182K" 0603-Res 4358.27,578.74 r180 bottom
R301 "470R" 0603-Res 1059.06,3456.69 r180 top
R302 "470R" 0603-Res 1055.12,3633.86 r180 top
R303 "470R" 0603-Res 1059.06,3098.43 r180 top
R304 "10K" 0603-Res 3625.98,3366.14 r180 bottom
R305 "280K" 0603-Res 3346.46,1531.5 r90 bottom
R306 "105K" 0603-Res 3397.64,1531.5 r90 bottom
R307 "470R" 0603-Res 1059.06,3279.53 r180 top
R308 "10K" 0603-Res 3476.38,2688.98 r90 top
R309 "3K3" 0603-Res 3440.94,1216.54 r180 bottom
R310 "0R" 0603-Res 3307.09,1342.52 r0 bottom
R311 "220R" 0603-Res 3031.5,1437.01 r90 bottom
R312 "49R9" 0603-Res 3610.24,3267.72 r90 top
R313 "5R6" 0603-Res 3311.02,1476.38 r270 bottom
R314 "0R" 0603-Res 3098.43,1476.38 r90 bottom
R315 "0R" 0603-Res 3149.61,1476.38 r90 bottom
R316 "0.001R" 2512 3641.73,1070.87 r90 bottom
R317 "10R" 0603-Res 3460.63,2476.38 r90 bottom
R318 "10R" 0603-Res 3401.57,2476.38 r90 bottom
R319 "0.010R" GMR320 5299.21,897.64 r180 top
R320 "280K" 0603-Res 3322.83,1086.61 r90 bottom
R321 "105K" 0603-Res 3374.02,1086.61 r90 bottom
R322 "10K" 0603-Res 1657.48,1003.94 r90 top
R323 "3K3" 0603-Res 3374.02,744.09 r90 bottom
R324 "0R" 0603-Res 3307.09,905.51 r0 bottom
R325 "220R" 0603-Res 2980.32,952.76 r270 bottom
R326 "49R9" 0603-Res 1066.93,1216.54 r180 top
R327 "2K" 0603-Res 3382.28,3799.21 r0 top
R328 "5R6" 0603-Res 3311.02,1039.37 r270 bottom
R329 "0R" 0603-Res 3098.43,1039.37 r90 bottom
R330 "0R" 0603-Res 3149.61,1039.37 r90 bottom
R331 "0.001R" 2512 3834.65,1106.3 r270 bottom
R332 "49R9" 0603-Res 3547.64,3685.04 r270 top
R333 "1K" 0603-Res 3279.92,3618.11 r90 top
R334 "49R9" 0603-Res 3106.3,3622.05 r0 top
R335 "499K/0,1%/10ppm/100V" 0805-Res 5212.6,716.54 r0 top
R336 "49R9" 0603-Res 3547.64,3492.13 r90 top
R337 "1K" 0603-Res 3279.92,3559.06 r270 top
R338 "49R9" 0603-Res 3106.69,3555.12 r0 top
R339 "10K/0,1%/10ppm" 0603-Res 1803.15,1196.85 r270 bottom
R340 "2K" 0603-Res 3378.35,3377.95 r0 top
R341 "0R" 0603-Res 3307.09,1295.28 r0 bottom
R342 "0R" 0603-Res 3307.09,858.27 r0 bottom
R343 "10K" 0603-Res 3200.79,1531.5 r90 bottom
R344 "1K8" 0603-Res 3078.74,2696.85 r90 bottom
R345 "20K" 0603-Res 3295.28,1598.43 r270 bottom
R346 "287K" 0603-Res 2972.44,1555.12 r0 bottom
R347 "976" 0603-Res 3031.5,1598.43 r90 bottom
R348 "182K" 0603-Res 2980.32,1598.43 r90 bottom
R349 "10K" 0603-Res 3374.02,629.92 r90 bottom
R350 "1K8" 0603-Res 1598.43,980.31 r90 bottom
R351 "20K" 0603-Res 3425.2,696.85 r90 bottom
R352 "287K" 0603-Res 3232.28,574.8 r0 bottom
R353 "976K" 0603-Res 3051.18,625.98 r0 bottom
R354 "182K" 0603-Res 3185.04,574.8 r180 bottom
R401 "470R" 0603-Res 803.15,3456.69 r180 top
R402 "470R" 0603-Res 803.15,3633.86 r180 top
R403 "10K" 0603-Res 2724.41,3366.14 r180 bottom
R404 "470R" 0603-Res 803.15,3098.43 r180 top
R405 "280K" 0603-Res 2169.29,1531.5 r90 bottom
R406 "105K" 0603-Res 2220.47,1531.5 r90 bottom
R407 "470R" 0603-Res 803.15,3279.53 r180 top
R408 "10K" 0603-Res 2574.8,2692.91 r90 top
R409 "3K3" 0603-Res 2271.65,1212.6 r180 bottom
R410 "0R" 0603-Res 2137.8,1342.52 r0 bottom
R411 "220R" 0603-Res 1905.51,1606.3 r0 bottom
R412 "49R9" 0603-Res 2712.6,3271.65 r90 top
R413 "5R6" 0603-Res 2141.73,1476.38 r270 bottom
R414 "0R" 0603-Res 1917.32,1476.38 r90 bottom
R415 "0R" 0603-Res 1968.5,1476.38 r90 bottom
R416 "0.001R" 2512 2468.5,1070.87 r90 bottom
R417 "10R" 0603-Res 2562.99,2476.38 r90 bottom
R418 "10R" 0603-Res 2496.06,2476.38 r90 bottom
R419 "0.010R" GMR320 5299.21,334.65 r180 top
R420 "280K" 0603-Res 2169.29,1086.61 r90 bottom
R421 "105K" 0603-Res 2220.47,1086.61 r90 bottom
R422 "10K" 0603-Res 1661.42,165.35 r90 top
R423 "3K3" 0603-Res 2204.72,748.03 r90 bottom
R424 "0R" 0603-Res 2137.8,905.51 r0 bottom
R425 "220R" 0603-Res 1826.77,952.76 r270 bottom
R426 "49R9" 0603-Res 1066.93,377.95 r180 top
R427 "2K" 0603-Res 2445.28,3799.21 r0 top
R428 "5R6" 0603-Res 2141.73,1039.37 r270 bottom
R429 "0R" 0603-Res 1929.13,1039.37 r90 bottom
R430 "0R" 0603-Res 1980.32,1039.37 r90 bottom
R431 "0.001R" 2512 2661.42,1106.3 r270 bottom
R432 "49R9" 0603-Res 2610.63,3685.04 r270 top
R433 "1K" 0603-Res 2342.91,3618.11 r90 top
R434 "49R9" 0603-Res 2240.16,3614.17 r90 top
R435 "499K/0,1%/10ppm/100V" 0805-Res 5216.54,488.19 r0 top
R436 "49R9" 0603-Res 2610.63,3492.13 r90 top
R437 "1K" 0603-Res 2342.91,3559.06 r270 top
R438 "49R9" 0603-Res 2240.16,3555.12 r270 top
R439 "10K/0,1%/10ppm" 0603-Res 1791.34,381.89 r270 bottom
R440 "2K" 0603-Res 2441.34,3377.95 r0 top
R441 "0R" 0603-Res 2137.8,1295.28 r0 bottom
R442 "0R" 0603-Res 2137.8,858.27 r0 bottom
R443 "10K" 0603-Res 2066.93,1531.5 r90 bottom
R444 "1K8" 0603-Res 2188.98,2696.85 r90 bottom
R445 "20K" 0603-Res 2118.11,1598.43 r270 bottom
R446 "287K" 0603-Res 1931,1724.41 r270 bottom
R447 "976K" 0603-Res 1982.19,1877.95 r270 bottom
R448 "182K" 0603-Res 1931,1771.65 r90 bottom
R449 "10K" 0603-Res 1984.25,185.04 r90 bottom
R450 "1K8" 0603-Res 1665.35,216.54 r180 bottom
R451 "20K" 0603-Res 2031.5,251.97 r0 bottom
R452 "287K" 0603-Res 2003.94,137.8 r180 bottom
R453 "976K" 0603-Res 1708.66,125.98 r0 bottom
R454 "182K" 0603-Res 1889.76,125.98 r180 bottom
R501 "2K" 0603-Res 5259.84,3633.86 r0 top
R502 "10K" 0603-Res 5102.36,3299.21 r90 bottom
R503 "49R9" 0603-Res 5429.13,3515.75 r270 top
R504 "1K" 0603-Res 5161.42,3448.82 r90 top
R505 "49R9" 0603-Res 4984.25,3448.82 r0 top
R506 "49R9" 0603-Res 5429.13,3322.83 r90 top
R507 "1K" 0603-Res 5161.42,3389.76 r270 top
R508 "49R9" 0603-Res 4984.25,3381.89 r0 top
R509 "2K" 0603-Res 5259.84,3204.72 r0 top
R510 "2K" 0603-Res 2023.62,3271.65 r0 bottom
R511 "499K/0,1%/10ppm/100V" 0805-Res 1952.76,2531.5 r0 top
R512 "49R9" 0603-Res 2149.61,3381.89 r90 bottom
R513 "1K" 0603-Res 1877.95,3452.76 r270 bottom
R514 "49R9" 0603-Res 1767.72,3381.89 r90 bottom
R515 "10R" 0603-Res 5047.24,2464.57 r90 bottom
R516 "10R" 0603-Res 4996.06,2500 r180 bottom
R517 "0.010R" GMR320 5283.46,2515.75 r270 bottom
R518 "49R9" 0603-Res 2149.61,3578.74 r270 bottom
R519 "1K" 0603-Res 1877.95,3511.81 r90 bottom
R520 "49R9" 0603-Res 1767.72,3496.06 r90 bottom
R521 "10K/0,1%/10ppm" 0603-Res 1901.57,2618.11 r90 bottom
R522 "2K" 0603-Res 1980.32,3692.91 r0 bottom
R523 "2K" 0603-Res 4755.91,3385.83 r0 bottom
R524 "49R9" 0603-Res 4924.02,3500 r90 bottom
R525 "1K" 0603-Res 4657.48,3566.93 r270 bottom
R526 "49R9" 0603-Res 4551.18,3503.94 r90 bottom
R527 "2K" 0603-Res 2870.08,3370.08 r0 bottom
R528 "49R9" 0603-Res 4924.02,3692.91 r270 bottom
R529 "1K" 0603-Res 4657.48,3625.98 r90 bottom
R530 "49R9" 0603-Res 4551.18,3618.11 r90 bottom
R531 "49R9" 0603-Res 3035.43,3484.25 r90 bottom
R532 "1K" 0603-Res 2767.72,3551.18 r270 bottom
R533 "49R9" 0603-Res 2661.42,3476.38 r90 bottom
R534 "2K" 0603-Res 4759.84,3807.09 r0 bottom
R535 "49R9" 0603-Res 3035.43,3677.17 r270 bottom
R536 "1K" 0603-Res 2767.72,3610.24 r90 bottom
R537 "49R9" 0603-Res 2661.42,3590.55 r90 bottom
R538 "2K" 0603-Res 3807.09,3381.89 r0 bottom
R539 "2K" 0603-Res 2870.08,3791.34 r0 bottom
R540 "49R9" 0603-Res 3972.44,3496.06 r90 bottom
R541 "1K" 0603-Res 3704.72,3562.99 r270 bottom
R542 "49R9" 0603-Res 3598.43,3488.19 r90 bottom
R543 "49R9" 0603-Res 3972.44,3688.98 r270 bottom
R544 "1K" 0603-Res 3704.72,3622.05 r90 bottom
R545 "49R9" 0603-Res 3598.43,3602.36 r90 bottom
R546 "2K" 0603-Res 3811.02,3803.15 r0 bottom
RX101 "1M" 1206-Res 5492.13,3807.09 r180 top
TP101 "Test-Point" PAD-1.0/1.8 830.71,2543.31 r90 top
TP102 "Test-Point" PAD-1.0/1.8 830.71,2443.31 r90 top
TP103 "Test-Point" PAD-1.0/1.8 830.71,2343.31 r90 top
TP104 "Test-Point" PAD-1.0/1.8 830.71,2243.31 r90 top
TP105 "Test-Point" PAD-1.0/1.8 830.71,2143.31 r90 top
TP106 "Test-Point" PAD-1.0/1.8 830.71,2043.31 r90 top
TP107 "Test-Point" PAD-1.0/1.8 834.65,2799.21 r0 top

## Footprints (in the part's own frame and the unit in brackets; to place one, negate y for a bottom-side part, rotate by r counter-clockwise, add the part's x,y. Pads: shape width x height; smd on the part's side, far side on the other; paste and mask are expansions set on the pad)
0603-Cap [mm] "SMD 0603 size (Imperial)"
  rect 0.7x0.9 smd: 1(0,0) 2(1.7,0)
  silkscreen extent -0.5,-0.55 2.2,0.55, body extent 0.05,-0.41 1.65,0.41, height 0.9
0603-Ind [mm] "SMD 0603 size (Imperial)"
  rect 0.7x0.9 smd: 1(0,0) 2(1.7,0)
  silkscreen extent -0.5,-0.55 2.2,0.55, body extent 0.06,-0.4 1.66,0.4, height 0.8
0603-Res [mm] "SMD 0603 size (Imperial)"
  rect 0.7x0.9 smd: 1(0,0) 2(1.7,0)
  silkscreen extent -0.5,-0.55 2.2,0.55, body extent -0.07,-0.42 1.78,0.43, height 0.45
0805-Cap [mm] "SMD 0805 size (Imperial)"
  rect 1.2x1.3 smd: 1(0,0) 2(2.2,0)
  silkscreen extent -0.75,-0.78 2.95,0.78, body extent 0.05,-0.63 2.15,0.62, height 1.3
0805-Res [mm] "SMD 0805 size (Imperial)"
  rect 1.2x1.3 smd: 1(0,0) 2(2.2,0)
  silkscreen extent -0.75,-0.78 2.95,0.78, body extent 0.1,-0.63 2.1,0.63, height 0.45
"1007-IND (2518)" [mm]
  rect 0.6x2 smd: 1(0,0) 2(2.1,0)
  silkscreen extent 0.05,-0.9 2.05,0.9, body extent 0.05,-0.9 2.05,0.9, height 1.8
1206-Cap [mm] "SMD 1206 size (Imperial)"
  rect 1.1x1.7 smd: 1(0,0) 2(3.3,0)
  silkscreen extent -0.7,-0.95 4,0.95, body extent 0.05,-0.8 3.25,0.8, height 1.7
1206-Res [mm] "SMD 1206 size (Imperial)"
  rect 1.1x1.7 smd: 1(0,0) 2(3.3,0)
  silkscreen extent -0.7,-0.95 4,0.95, body extent 0.05,-0.8 3.25,0.8, height 0.55
1210-Cap [mm] "SMD 1210 size (Imperial)"
  rect 1.1x2.5 smd: 1(0,0) 2(3.3,0)
  silkscreen extent -0.7,-1.4 4,1.4, body extent 0.05,-1.25 3.25,1.25, height 1.7
2220-Cap [mm] "SMD 2220 size (Imperial)"
  rect 1.5x5.5 smd: 1(0,0) 2(5.7,0)
  silkscreen extent -0.9,-2.9 6.6,2.9, body extent 0,-2.5 5.7,2.5, height 2.5
2512 [mm]
  rect 1.8x3.4 smd: 1(0,0) 2(5.2,0)
  silkscreen extent -0.58,-1.55 5.77,1.5, body extent -0.58,-1.55 5.77,1.5, height 0.83